# Altium PCB ESP12_DEV_01.PcbDoc
Units mm, origin at the board's own origin, x right, y up, seen from the top; angles counter-clockwise.
Board outline 50 x 47 mm, 2 copper layers (Top Layer, Bottom Layer), stack 0.971 mm thick; 65 components, 45 nets, 224 pads, 44 vias.
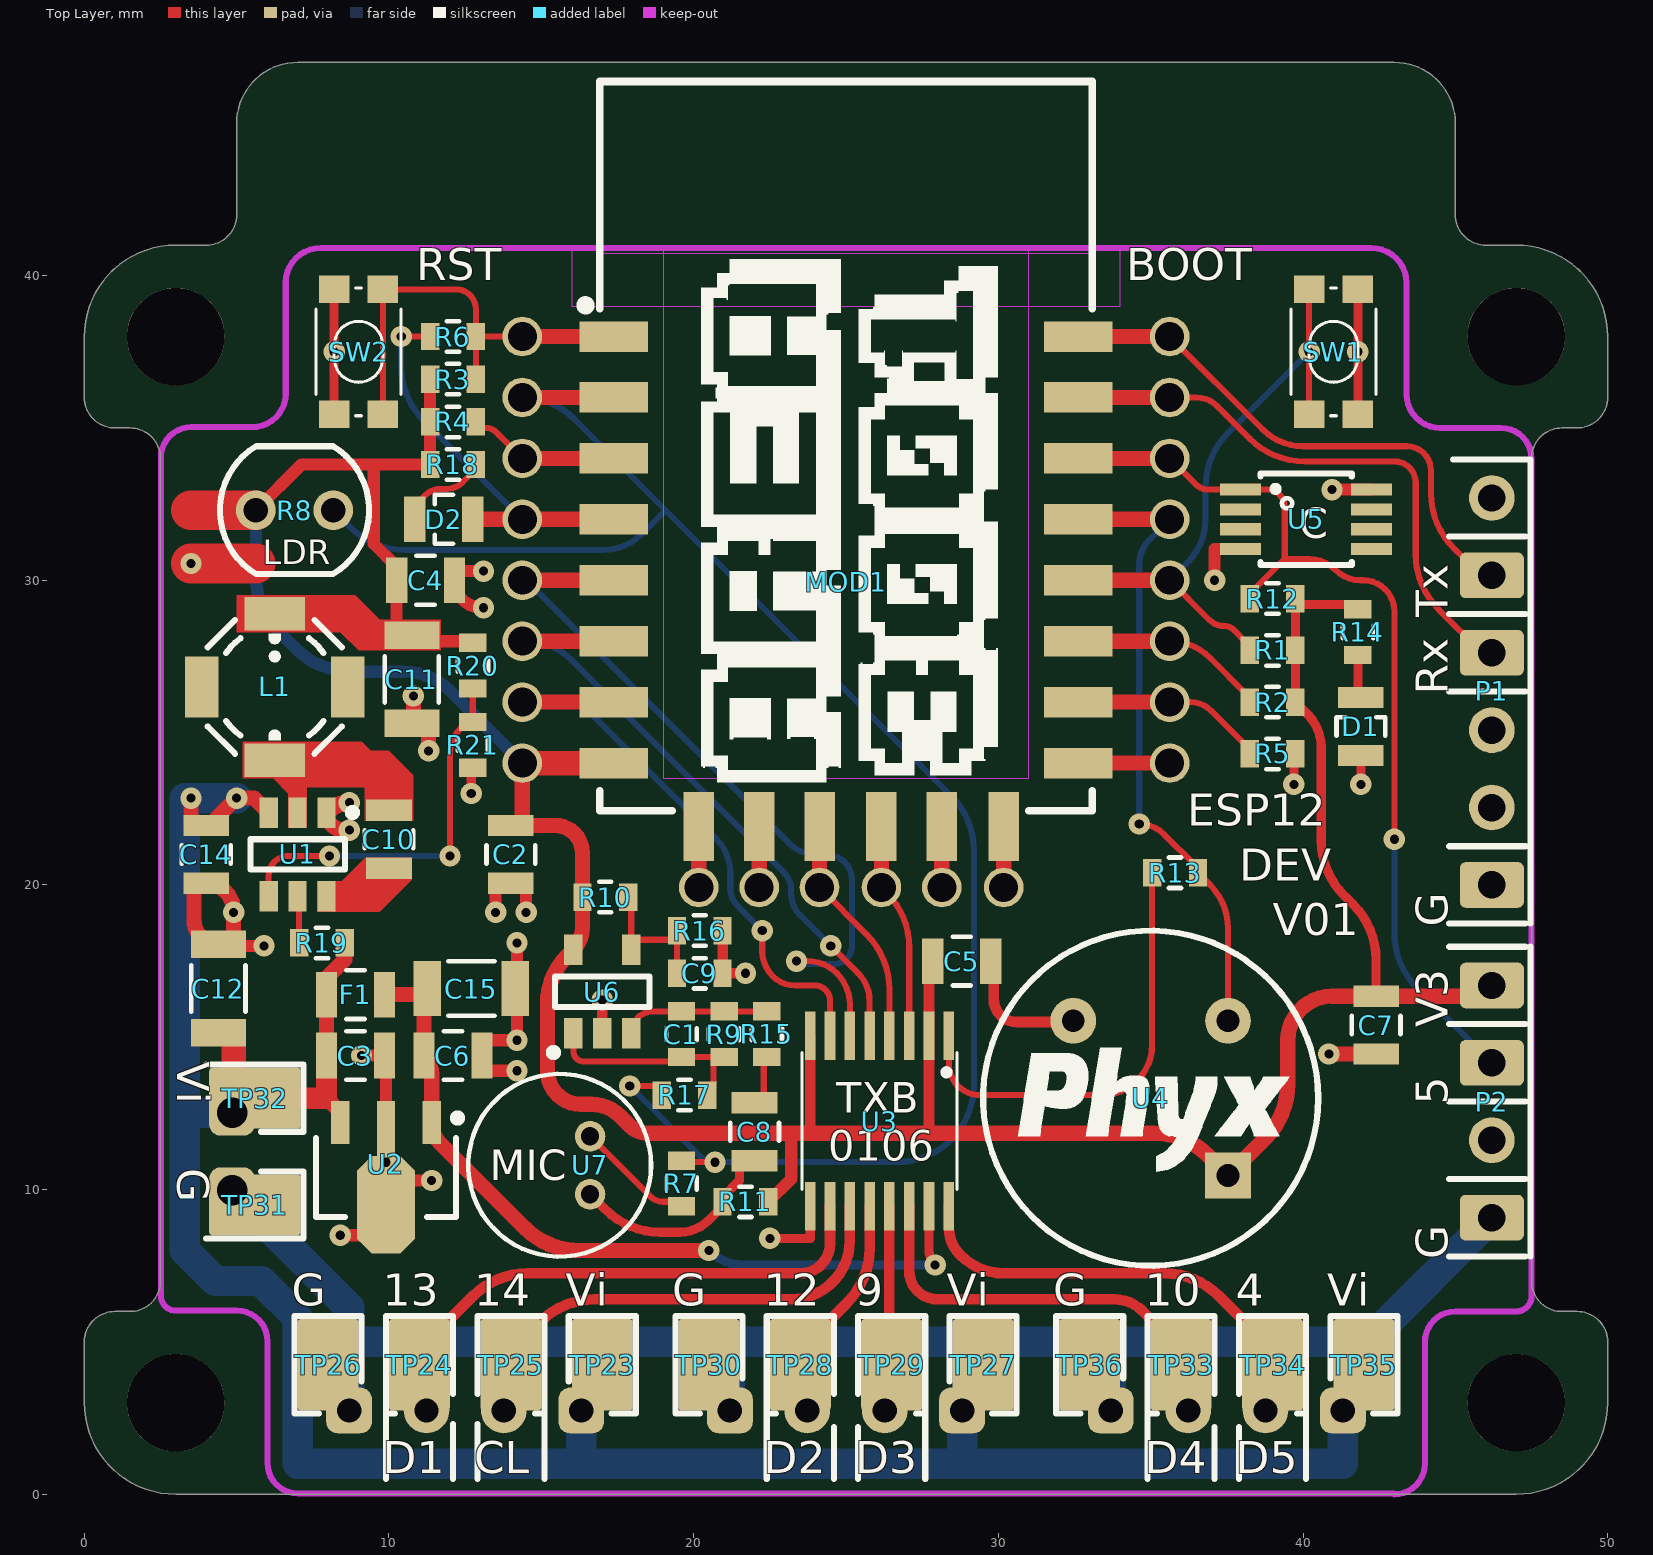
[diagram p0: Top Layer view]
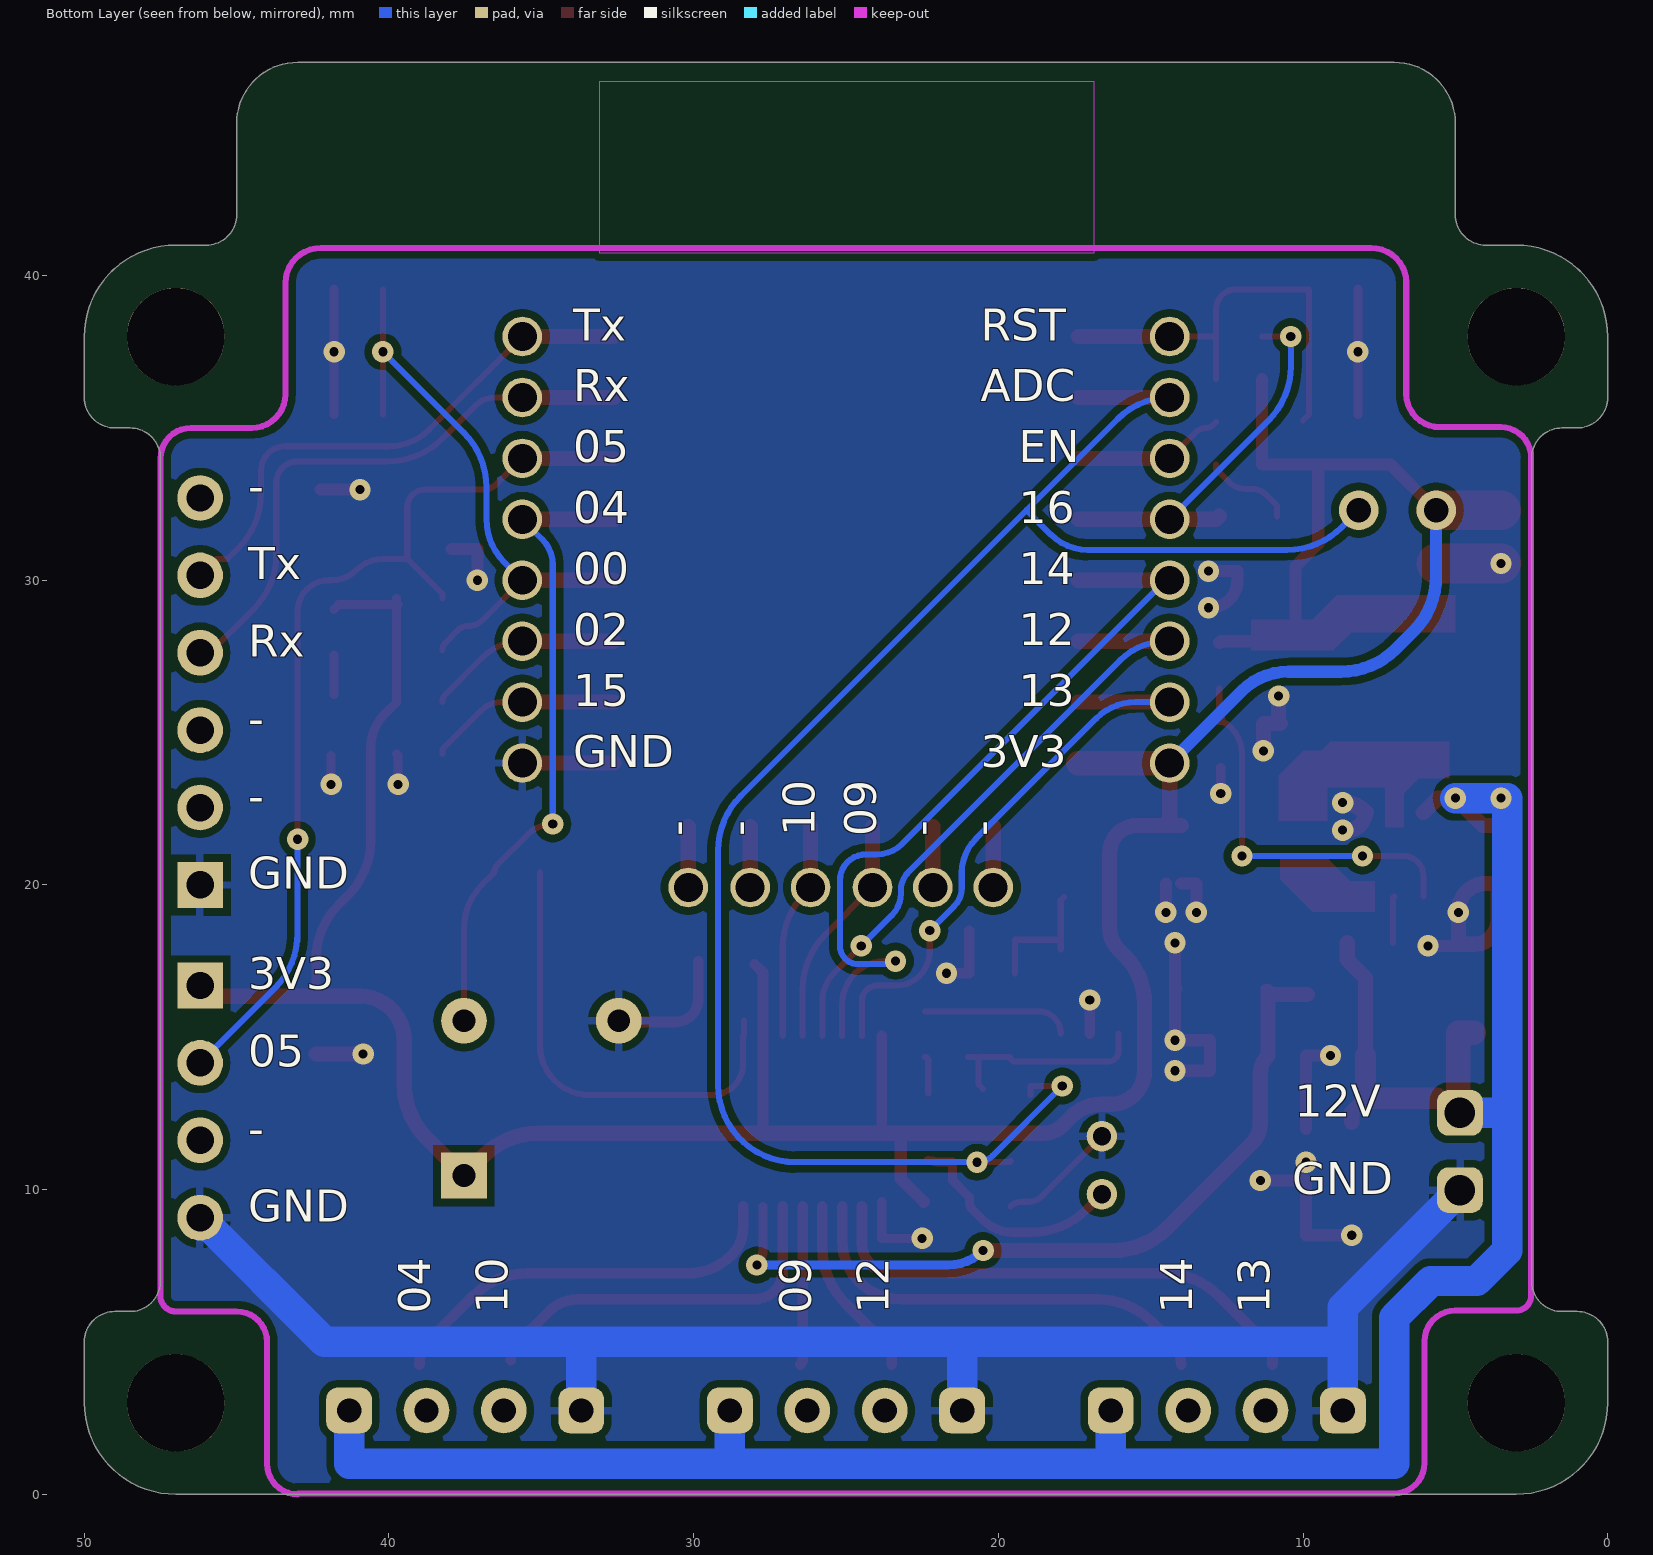
[diagram p1: Bottom Layer view, seen from below]
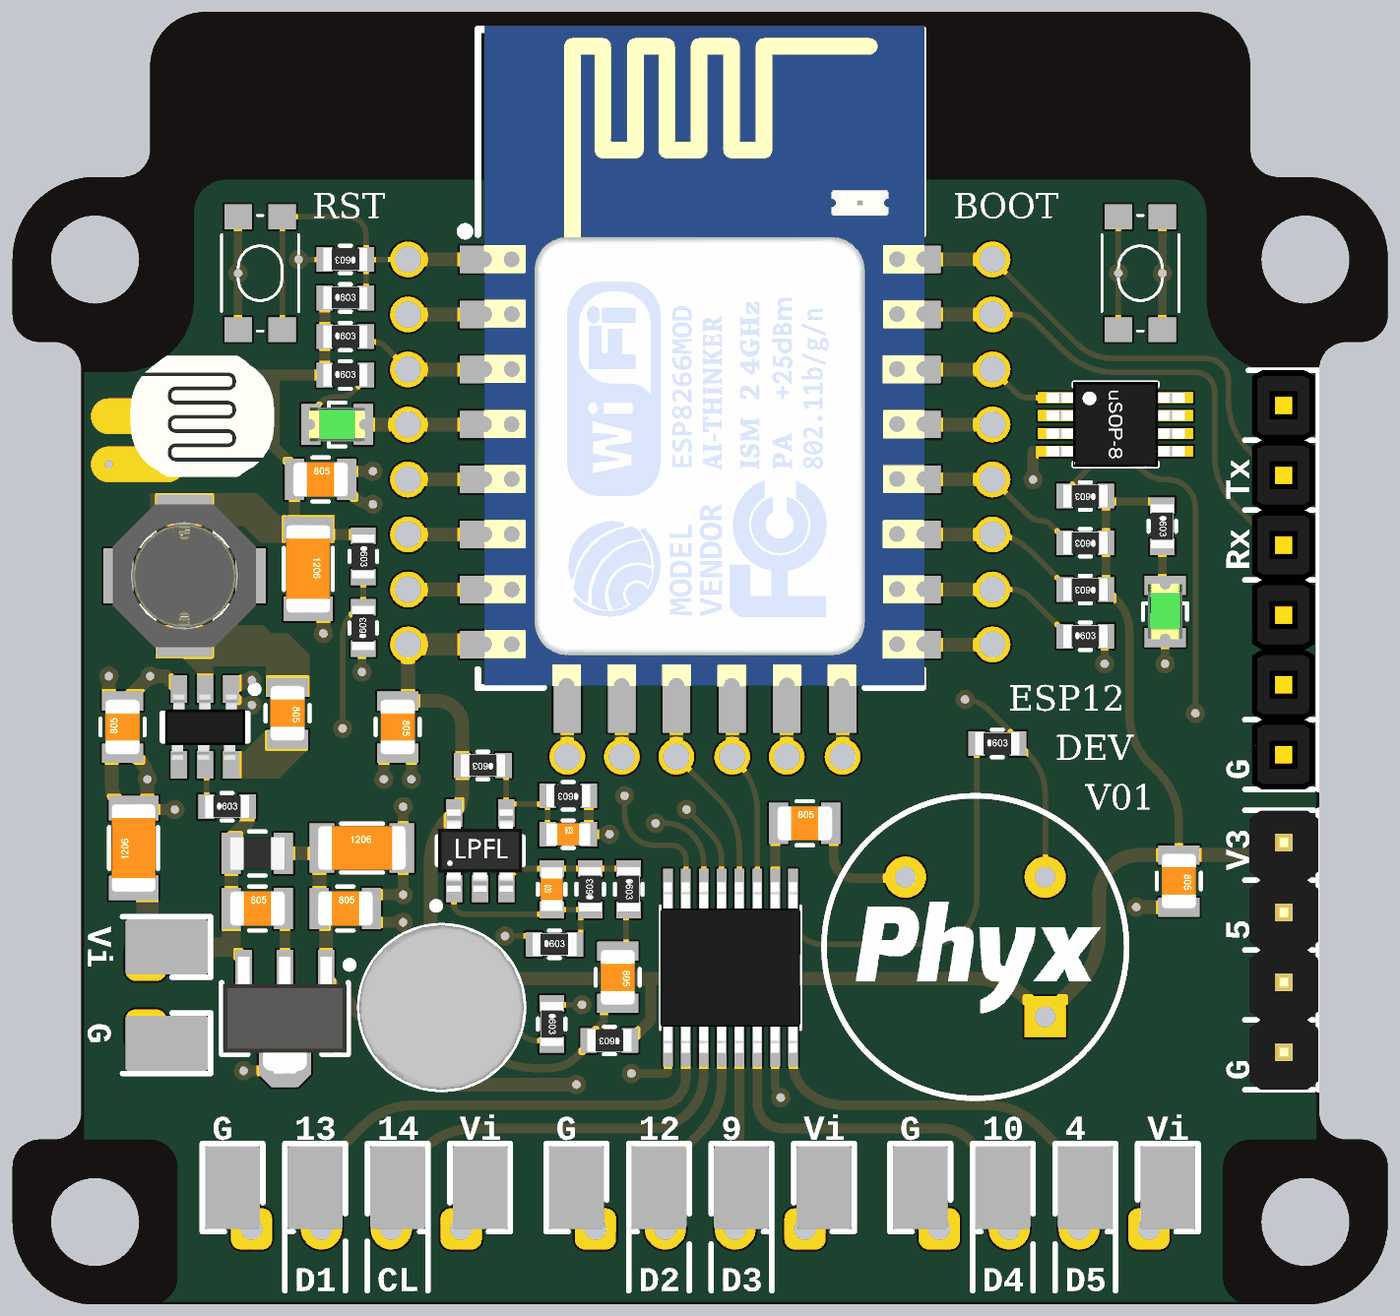
[diagram p2: 3D render of the assembled board from above, using the file's embedded part models]

## Layer stack, top to bottom
Top Solder: solder mask 0.0102, Solder Resist, Dk 3.5
Top Layer: signal copper 0.0356
Dielectric1: dielectric 0.9, FR-4, Dk 4.8
Bottom Layer: signal copper 0.0356
Bottom Solder: solder mask 0.0102, Solder Resist, Dk 3.5

## Board outline
0,5 cw(c1,5) 1,6 1.5,6 ccw(c1.5,7) 2.5,7 2.5,34 ccw(c1.5,34) 1.5,35 1,35 cw(c1,36) 0,36 0,38 cw(c3,38) 3,41 4,41 ccw(c4,42) 5,42 5,45 cw(c7,45) 7,47 43,47 cw(c43,45) 45,45 45,43 45,42 ccw(c46,42) 46,41 47,41 cw(c47,38) 50,38 50,36 cw(c49,36) 49,35 48.5,35 ccw(c48.5,34) 47.5,34 47.5,7 ccw(c48.5,7) 48.5,6 49,6 cw(c49,5) 50,5 50,3 cw(c47,3) 47,0 3,0 cw(c3,3) 0,3

## Design rules (kind name [scope] priority, off if disabled: settings)
Clearance [All] p1: gap=0.15 except(0.25: Arc-Poly Track-Poly SMDPad-Poly THPad-Poly Via-Poly Fill-Poly Poly-Poly)
HoleSize [All] p1: absolutevalues=TRUE maxlimit=4 minlimit=0.025 maxpercent=80.000 minpercent=20.000
MinimumSolderMaskSliver [All] p1: minsoldermaskwidth=0.1
PolygonConnect PolygonConnect_Via [IsVia] p1: connectstyle=Direct reliefconductorwidth=0.254 reliefentries=4 polygonreliefangle="90 Angle" airgapwidth=0.254
PolygonConnect [All] p2: connectstyle=Relief reliefconductorwidth=0.254 reliefentries=4 polygonreliefangle="90 Angle" airgapwidth=0.254
RoutingVias [All] p1: holewidth=0.3 width=0.7 viastyle="Through Hole" minholewidth=0.3 minwidth=0.7 maxholewidth=0.3 maxwidth=0.7
SilkToSolderMaskClearance SilkscreenOverComponentPads [IsPad] p1: minsilkscreentomaskgap=0.254 clearancetoexposedcopper=TRUE
SolderMaskExpansion [All] p1: expansion=0.075
Width [All] p1: maxlimit=2 minlimit=0.2 preferedwidth=0.5 minimp=50.000000 maximp=50.000000 favimp=50.000000
27 further rules are at their usual default settings.

## Classes and differential pairs
net class POWER: 3V3 5V GND VIN

## Components (designator, comment, footprint, x,y, rotation, side; value= is the part's Value field where it differs from the comment)
C1 "CAP_CERAMIC" C0603 19.6,15.1 r90 top
C2 "CAP_CERAMIC" C0805 14,21 r270 top
C3 "CAP_CERAMIC" C0805 8.9,14.4 r0 top
C4 "CAP_CERAMIC" C0805 11.2,30 r0 top
C5 "CAP_CERAMIC" C0805 28.8,17.5 r0 top
C6 "CAP_CERAMIC" C0805 12.1,14.4 r0 top
C7 "CAP_CERAMIC" C0805 42.4,15.4 r270 top
C8 "CAP_CERAMIC" C0805 22,11.9 r270 top
C9 "CAP_CERAMIC" C0603 20.2,17.1 r0 top
C10 "CAP_CERAMIC" C0805 10,21.5 r270 top
C11 "CAP_CERAMIC" C1206 10.75,26.75 r270 top
C12 "CAP_CERAMIC" C1206 4.4,16.6 r90 top
C14 "CAP_CERAMIC" C0805 4,21 r90 top
C15 "CAP_CERAMIC" C1206 12.7,16.6 r0 top
D1 "Green LED" LED_0805_GR 41.9,25.2 r270 top
D2 "Green LED" LED_0805_GR 11.8,32 r0 top
F1 "FERRITE" L0805 8.9,16.4 r0 top
L1 "SRU5028-3R3Y" BRNS_SRU5028 6.25,26.5 r90 top
MOD1 "ESP8266 based ESP-12E" ESP-12E 25,31 r0 top
P1 "Header 6" HDR1X6 46.2,20 r90 top
P2 "Header 4" HDR1X4 46.2,16.7 r270 top
R1 "RESISTOR" R0603 39,27.7 r180 top
R2 "RESISTOR" R0603 39,26 r180 top
R3 "RESISTOR" R0603 12.1,36.6 r0 top
R4 "RESISTOR" R0603 12.1,35.2 r0 top
R5 "RESISTOR" R0603 39,24.3 r0 top
R6 "RESISTOR" R0603 12.1,38 r180 top
R7 "RESISTOR" R0603 19.6,10.2 r270 top
R8 "LDR 0.5MOHM 80MW SERIES VT900" VT900 6.9,32.3 r0 top
R9 "RESISTOR" R0603 21,15.1 r90 top
R10 "RESISTOR" R0603 17.1,19.6 r180 top
R11 "RESISTOR" R0603 21.7,9.6 r180 top
R12 "RESISTOR" R0603 39,29.4 r180 top
R13 "RESISTOR" R0603 35.8,20.4 r0 top
R14 "RESISTOR" R0603 41.8,28.3 r270 top
R15 "RESISTOR" R0603 22.4,15.1 r270 top
R16 "RESISTOR" R0603 20.2,18.5 r180 top
R17 "RESISTOR" R0603 19.7,13.1 r0 top
R18 "RESISTOR" R0603 12.1,33.8 r0 top
R19 "RESISTOR" R0603 7.8,18.1 r0 top
R20 "RESISTOR" R0603 12.75,27.2 r270 top
R21 "RESISTOR" R0603 12.75,24.6 r90 top
SW1 "LP SMD tact sw" CK_KMR4 41,37.5 r270 top
SW2 "LP SMD tact sw" CK_KMR4 9,37.5 r90 top
TP23 "TEST_PAD" TP_2x3mm 17,4.25 r90 top
TP24 "TEST_PAD" TP_2x3mm 11,4.25 r90 top
TP25 "TEST_PAD" TP_2x3mm 14,4.25 r90 top
TP26 "TEST_PAD" TP_2x3mm 8,4.25 r90 top
TP27 "TEST_PAD" TP_2x3mm 29.5,4.25 r90 top
TP28 "TEST_PAD" TP_2x3mm 23.5,4.25 r90 top
TP29 "TEST_PAD" TP_2x3mm 26.5,4.25 r90 top
TP30 "TEST_PAD" TP_2x3mm 20.5,4.25 r90 top
TP31 "TEST_PAD" TP_2x3mm 5.6,9.5 r180 top
TP32 "TEST_PAD" TP_2x3mm 5.6,13 r180 top
TP33 "TEST_PAD" TP_2x3mm 36,4.25 r90 top
TP34 "TEST_PAD" TP_2x3mm 39,4.25 r90 top
TP35 "TEST_PAD" TP_2x3mm 42,4.25 r90 top
TP36 "TEST_PAD" TP_2x3mm 33,4.25 r90 top
U1 "Buck 2A" TI_DDC_R-PDSO-G6 7,21 r270 top
U2 "5V LDO 100mA" TI_PK 9.9,10.4 r270 top
U3 "6-bit Bi Level translator, 15kV ESD" TI_PW_R-PDSO-G16 26.1,12.25 r180 top
U4 "PIR 5m Pearl White" PAN_EKMC1601113 35,13 r180 top
U5 "Thermometer 1-Wire DS18B20U" MAX_uSOP8 40.1,32 r0 top
U6 "Low Power, Single supply, Rail-to-Rail opamp" TI_DBV_R-PDSO-G5 17,16.5 r90 top
U7 "Electrec, condenser, 20Hz-20kHz, 2K2" MIC_2742PB 15.6,10.8 r0 top

## Footprints (in the part's own frame and the unit in brackets; to place one, negate y for a bottom-side part, rotate by r counter-clockwise, add the part's x,y. Pads: shape width x height; smd on the part's side, far side on the other; paste and mask are expansions set on the pad)
BRNS_SRU5028 [mm] "Bourns 5.2x5.2mm Inductor 2.8mm height"
  rect 1.1x2 smd: 1(-2.4,0) 2(2.4,0)
  rect 2x1.1 smd: 3(0,-2.4) 4(0,2.4)
  silkscreen extent -2.2,-2.2 2.2,2.2, body extent -2.6,-2.6 2.6,2.6, height 2.8
C0603 [mm]
  rect 0.6x0.9 smd: 1(-0.75,0) 2(0.75,0)
  silkscreen extent -0.2,-0.5 0.2,0.5, body extent -0.8,-0.4 0.8,0.4, height 0.3
C0805 [mm]
  rect 0.7x1.5 smd: 1(-0.95,0) 2(0.95,0)
  silkscreen extent -0.3,-0.8 0.3,0.8, body extent -1,-0.62 1,0.63, height 0.78
C1206 [mm]
  rect 0.9x1.8 smd: 1(-1.45,0) 2(1.45,0)
  silkscreen extent -0.76,-0.89 0.76,0.89, body extent -1.6,-0.8 1.6,0.8, height 1
CK_KMR4 [mm] "C&K KMR 4 series tactile switches"
  rect 0.9x1 smd: 1(-2.05,-0.8) 1(2.05,-0.8) 2(-2.05,0.8) 2(2.05,0.8)
  silkscreen extent -2.1,-1.4 2.1,1.4, body extent -2.1,-1.4 2.1,1.4, height 2.5
ESP-12E [mm]
  rect 2.25x1 smd: 1(-7.625,7) 2(-7.625,5) 3(-7.625,3) 4(-7.625,1) 5(-7.625,-1) 6(-7.625,-3) 7(-7.625,-5) 8(-7.625,-7) 15(7.625,-7) 16(7.625,-5) 17(7.625,-3) 18(7.625,-1) 19(7.625,1) 20(7.625,3) 21(7.625,5) 22(7.625,7)
  rect 1x2.25 smd: 9(-4.831,-9.083) 10(-2.85,-9.083) 11(-0.869,-9.083) 12(1.163,-9.083) 13(3.145,-9.083) 14(5.177,-9.083)
  Keep-Out Layer region: -8.127,9.727 8.084,9.727 8.084,15.371 -8.127,15.371
  silkscreen extent -8.7,-8.57 8.08,15.37, body extent -7.86,-8.52 8.16,15.51, height 3.82
HDR1X4 [mm] "Connector; Header; 4 Position"
  rect 1.5x1.5 hole 0.9: 1(0,0)
  round 1.5 hole 0.9: 2(2.54,0) 3(5.08,0) 4(7.62,0)
  silkscreen extent -1.27,1.27 8.89,1.27, body extent -1.27,-1.23 8.89,1.27, height 8.2
HDR1X6 [mm] "Connector; Header; 6 Position"
  rect 1.5x1.5 hole 0.9: 1(0,0)
  round 1.5 hole 0.9: 2(2.54,0) 3(5.08,0) 4(7.62,0) 5(10.16,0) 6(12.7,0)
  silkscreen extent -1.27,-1.27 13.97,1.27, body extent -1.27,-1.14 13.97,1.14, height 8.13
L0805 [mm]
  rect 0.7x1.5 smd: 1(-0.95,0) 2(0.95,0)
  silkscreen extent -0.3,-0.8 0.3,0.8, body extent -1,-0.6 1,0.6, height 0.95
LED_0805_GR [mm] "0805 LED GREEN"
  rect 0.7x1.5 smd: 1(-0.95,0) 2(0.95,0)
  silkscreen extent -0.3,-0.8 0.3,0.8, body extent -1.01,-0.62 1.01,0.63, height 1.1
MAX_uSOP8 [mm]
  rect 1.35x0.4 smd paste-5: 1(-2.15,0.975) 2(-2.15,0.325) 3(-2.15,-0.325) 4(-2.15,-0.975) 5(2.15,-0.975) 6(2.15,-0.325) 7(2.15,0.325) 8(2.15,0.975)
  silkscreen extent -1.5,-1.5 1.5,1.5, body extent -2.52,-1.55 2.52,1.55, height 1.1
MIC_2742PB [mm] "6mm dia electret mic"
  round 1 hole 0.6 paste-5: 1(1,-0.95) 2(1,0.95)
  silkscreen extent -3,-3 3,3, body extent -3,-3 3,3, height 2.9
PAN_EKMC1601113 [mm] "Panasonic EKMC1601113"
  rect 1.5x1.5 hole 0.75: 1(-2.54,2.54)
  round 1.5 hole 0.75: 2(-2.54,-2.54) 3(2.54,-2.54)
  silkscreen extent -5.5,-5.5 5.5,5.5, body extent -5.49,-5.5 5.5,5.5, height 14.4
R0603 [mm]
  rect 0.6x0.9 smd: 1(-0.75,0) 2(0.75,0)
  silkscreen extent -0.2,-0.5 0.2,0.5, body extent -0.8,-0.41 0.8,0.41, height 0.45
TI_DBV_R-PDSO-G5 [mm] "SOT23, 5-Leads, Body 2,90x2,80mm, Pitch 0,95mm, IPC Medium Density"
  rect 1x0.6 smd: 1(-1.375,0.95) 2(-1.375,0) 3(-1.375,-0.95) 4(1.375,-0.95) 5(1.375,0.95)
  silkscreen extent -2.12,-1.55 0.5,1.72, body extent -1.5,-1.52 1.5,1.53, height 1.3
TI_DDC_R-PDSO-G6 [mm] "Ti DDC SOT23-6 package"
  rect 1x0.6 smd: 1(-1.375,0.95) 2(-1.375,0) 3(-1.375,-0.95) 4(1.375,-0.95) 5(1.375,0) 6(1.375,0.95)
  silkscreen extent -1.5,-1.55 0.5,1.93, body extent -1.18,-1.46 1.2,1.46, height 0.93
TI_PK [mm] "SOT-89 3 leads package"
  rect 1.4x0.6 smd: 1(-1.8,1.5) 3(-1.8,-1.5)
  rect 1.8x0.6 smd: 2(-1.6,0)
  oct 3.2x1.9 smd: 2(0.9,0)
  silkscreen extent -2.07,-2.3 1.3,2.48, body extent -2.25,-2.25 2,2.25, height 1.54
TI_PW_R-PDSO-G16 [mm] "TI_PW_R-PDSO-G16"
  rect 0.35x1.6 smd mask+0.075: 1(-2.275,-2.8) 2(-1.625,-2.8) 3(-0.975,-2.8) 4(-0.325,-2.8) 5(0.325,-2.8) 6(0.975,-2.8) 7(1.625,-2.8) 8(2.275,-2.8) 9(2.275,2.8) 10(1.625,2.8) 11(0.975,2.8) 12(0.325,2.8) 13(-0.325,2.8) 14(-0.975,2.8) 15(-1.625,2.8) 16(-2.275,2.8)
  silkscreen extent -2.55,-2.25 2.55,2.25, body extent -2.55,-3.1 2.55,3.1, height 1.1
TP_2x3mm [mm] "2 x 3 mm pad"
  rrect10% 3x2 smd mask+0.03: 1(0,0)
  silkscreen extent -1.6,-1.1 1.6,1.1
VT900 [mm] "VT900 series Photoconductive Cell"
  round 1.3 hole 0.8 paste-5: 1(-1.27,0) 2(1.27,0)
  silkscreen extent -2.45,-2.1 2.45,2.1, body extent -2.6,-2.17 2.61,2.13, height 2.44
